# Altium PCB Moter_Control_2021-08-13.pcbdoc (part 2 of 2)
Units mil, origin at the board's own origin, x right, y up, seen from the top; angles counter-clockwise.
Board outline 3361.49 x 2219.75 mil, 2 copper layers (Top Layer, Bottom Layer); 99 components, 79 nets, 430 pads, 232 vias.
Unrouted connection lines stored in the file: 3.
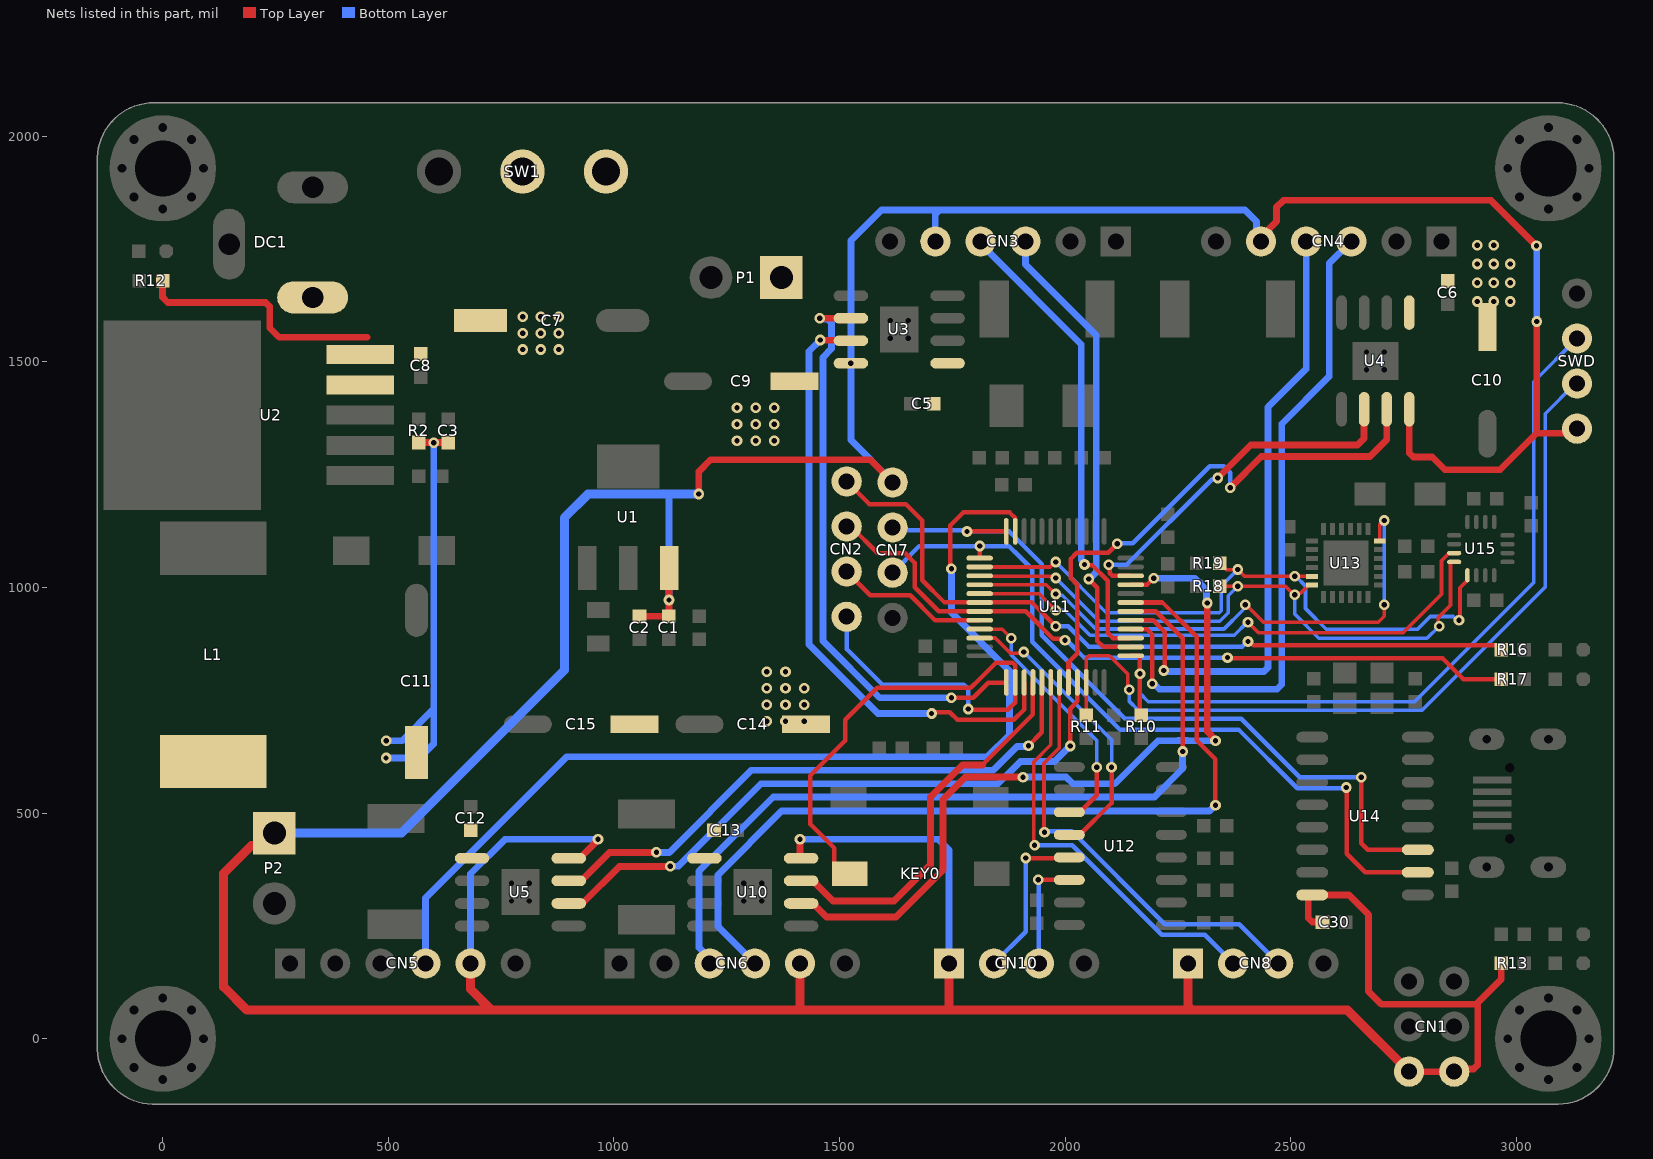
[diagram p2: the nets of this part, all layers, seen from the top]

## Via types
v1: diameter 23.62, hole 11.81, Top Layer to Bottom Layer, tented both sides, 194 vias
v2: diameter 19.68, hole 11.81, Top Layer to Bottom Layer, 30 vias
v3: diameter 23.62, hole 11.81, Top Layer to Bottom Layer, tented bottom, 8 vias

## Nets (pads, with @x,y where several pads share a name; then routed paths per layer and width w, separated by ;. In a path a pad name is that pad's centre, name@x,y a point inside that pad or via, vN(x,y) a via of type N, cw(c..) or ccw(c..) an arc to the next point about the centre after c; other vN are vias at no path point) (continued)
PA1/TIMER4_CH1: CN5.4 U11.11 | length 2297.7
  Top Layer w10: v1(1747.83,1041.22) 1745.67,1043.39 1745.67,1137.62 1774.41,1166.36 1876.64,1166.36 1889.1,1153.9 1889.1,1124.37 U11.11@1889.22,1124.25
  Bottom Layer w15: CN5.4@582.2,166.93 582.2,311.64 895.56,625 1828.27,625 1876.64,673.37 1876.64,815.31 1747.83,944.12 v1(1747.83,1041.22)
PA2/USART1_TX: CN7.2 U11.12 U14.3 | length 1737.6
  Top Layer w10: CN7.2@1617.59,1132.89 CN7.2@1626.24,1124.25 ; v1(1782.51,1124.25) U11.12@1869.53,1124.25 ; v1(2656.02,579.8) 2656.02,433.17 2670.65,418.54 U14.3@2781.5,418.54
  Bottom Layer w10: CN7.2@1617.59,1132.89 1623.63,1126.86 1779.9,1126.86 v1(1782.51,1124.25) 1875.93,1124.25 1948.2,1051.98 1948.2,893.86 2132.64,709.42 2390.38,709.42 2520,579.8 v1(2656.02,579.8)
PA3/USART1_RX: CN7.3 U11.13 U14.2 | length 1695.3
  Top Layer w10: U11.13@1810.48,1065.21 v1(1810.48,1091.89) ; v1(2622.97,556.66) 2624.37,555.26 2624.37,409.99 2665.3,369.05 2780.99,369.05 U14.2@2781.5,368.54
  Bottom Layer w10: CN7.3@1617.59,1032.89 1676.59,1091.89 v1(1810.48,1091.89) 1874.81,1091.89 1887.61,1079.08 1888.29,1079.08 1927.05,1040.32 1927.05,879.52 2122.36,684.22 2385.12,684.22 2514.33,555 2621.31,555 v1(2622.97,556.66)
PA4/SCLK: R19.2 U11.14 U13.23 U15.1 | length 1476.1
  Top Layer w8: U11.14@1810.48,1045.52 1966.24,1045.52 1977.28,1056.56 v1(1978.74,1056.56) ; R19.2@2342.75,1054.16 2357.18,1039.73 v1(2382.52,1039.73) ; v1@2382.42,1039.63 2397.28,1024.77 U13.23@2547.11,1024.77 ; v1(2872.86,927.4) 2875.03,929.57 2875.03,999.77 2891.55,1016.29 U15.1@2891.55,1027.11
  Bottom Layer w8: v1(1978.74,1056.56) 2091.18,944.12 2341.48,944.12 2346.16,948.81 2346.16,1003.37 v1(2382.52,1039.73) ; v1(2508.46,1025.04) 2510.84,1025.04 2532.5,1003.37 2532.5,953.62 2578.54,907.59 2780.79,907.59 2808.95,935.74 2860.36,935.74 2868.7,927.4 v1(2872.86,927.4)
PA5/SDA: R18.2 U11.15 U13.24 U15.16 | length 1447
  Top Layer w8: U11.15@1811.03,1025.29 1811.07,1025.33 1837.05,1025.33 1837.1,1025.29 1966.24,1025.29 1967.53,1023.99 1975.75,1023.99 v1(1978.74,1021.01) ; R18.2@2342.79,1002.38 v1@2382.46,1002.38 ; v1(2382.46,1002.65) 2488.22,1002.65 2506.67,984.19 v1(2508.53,984.19) 2511.52,987.18 2521.63,987.18 2539.53,1005.08 U13.24@2547.11,1005.08 ; v1(2828.74,914.35) 2826.49,916.6 2826.49,933.48 2853.85,960.84 2853.85,1055.78 2854.7,1056.63 U15.16@2862.03,1056.63
  Bottom Layer w8: v1(1978.74,1021.01) 2074.75,925 2342.67,925 2342.67,925.14 2361.65,944.12 2361.65,981.84 v1(2382.46,1002.65) ; v1(2508.53,984.19) 2508.53,941.06 2562.27,887.32 2801.7,887.32 v1(2828.74,914.35)
PA6/MPU_INT: U11.16 U13.12 | length 1232.7
  Top Layer w8: U11.16@1810.48,1006.15 1958.05,1006.15 v1(1978.74,985.45) ; v1(2399.01,961.7) 2400.87,961.7 2439.3,923.28 2693.99,923.28 2707.2,936.5 v1(2707.2,961.7) ; U13.12@2697.31,1103.51 2697.31,1140.53 2705.11,1148.33 v1(2707.38,1148.33)
  Bottom Layer w8: v1(1978.74,985.45) 1981.7,982.5 1993.46,982.5 2068.01,907.94 2351.77,907.94 2393.43,949.61 ; v1(2707.2,961.7) 2707.29,961.79 2707.29,1148.24 v1(2707.38,1148.33)
PA7/QMC_INT: U11.17 U15.15 | length 1227.3
  Top Layer w8: U11.17@1810.48,986.47 1942.18,986.47 v1(1978.74,949.9) ; v1(2405.23,923.09) 2428.6,899.72 2748.83,899.72 2834.07,984.96 2834.07,1059.19 2851.21,1076.32 U15.15@2862.03,1076.32
  Bottom Layer w8: v1(1978.74,949.9) 1999.08,949.9 2055.13,893.86 2374.54,893.86 v1@2404.09,923.4
PA8/TIMER0_CH0: U5.3 U11.29 | length 1295.5
  Top Layer w10: v1(1918.54,649.45) 1948.27,679.17 U11.29@1948.27,789.62
  Top Layer w15: U5.3@899.62,349.77 926.56,349.77 989.73,412.95 v1(1094.02,412.95)
  Bottom Layer w15: v1(1094.02,412.95) 1122.63,412.95 1304.86,595.18 1840.75,595.18 1893.37,647.8 1916.89,647.8 v1(1918.54,649.45)
PA9/USART0_TX: CN8.2 U11.30 | length 926
  Top Layer w8: v1(1932.15,428.64) 1930.03,430.76 1930.03,613.38 1967.96,651.31 U11.30@1967.96,789.62
  Bottom Layer w10: v1(1932.15,428.64) 2015.46,428.64 2213.95,230.16 2308.98,230.16 CN8.2@2372.2,166.93
PA10/USART0_RX: CN8.3 U11.31 | length 987.4
  Top Layer w8: v1(1954.27,457.56) 1952.96,458.86 1952.96,610.68 1986.68,644.39 1986.68,762.58 1987.13,763.04 1987.13,789.11 U11.31@1987.64,789.62
  Bottom Layer w10: v1(1954.27,457.56) 1956.87,460.16 2014.29,460.16 2220.88,253.57 2385.57,253.57 CN8.3@2472.2,166.93
PA11/TIMER0_CH3: U4.3 U11.32 | length 1222.6
  Top Layer w10: U11.32@2007.33,789.62 2007.33,834.06 2027.03,853.77 2027.03,1006.18 2012.2,1021.01 2012.2,1063.31 2025.82,1076.93 2095.58,1076.93 v1(2115.66,1097.02)
  Top Layer w15: v1@2367.16,1222.88 2434.58,1290.3 2675.44,1290.3 2712.51,1327.37 U4.3@2712.51,1395.14
  Bottom Layer w10: v1(2115.66,1097.02) 2117.07,1098.42 2149.89,1098.42 2320.14,1268.68 2351.88,1268.68 2365.88,1254.68 v1(2365.88,1221.06)
PA12/M4_Dir: U5.2 U11.33 | length 1403.3
  Top Layer w10: v1(2010.91,648.83) 2010.91,731.42 2027.01,747.51 U11.33@2027.01,789.62
  Top Layer w15: U5.2@899.62,299.77 929.69,299.77 1011.84,381.93 v1(1124.64,381.93)
  Bottom Layer w15: v1(1124.64,381.93) 1125.17,382.46 1142.96,382.46 1325.5,565 1851.07,565 1900.57,614.5 1976.58,614.5 v1(2010.91,648.83)
PA13/SWDIO: R11.1 SWD.2 U11.34 | length 1824.2
  Top Layer w8: R11.1@2046.79,716.93 2046.7,717.02 U11.34@2046.7,789.62 2046.7,842.81 2052.56,848.67 2098.06,848.67 2138.36,808.37 2138.36,788.86 2138.61,788.61 2138.61,776.41 v1(2141.6,773.43)
  Bottom Layer w8: v1(2141.6,773.43) 2141.6,748.53 2162,728.14 2790.98,728.14 3063.91,1001.07 3063.91,1385.39 3130.44,1451.93 SWD.2@3134.51,1451.93
PA14/SWCLK: R10.1 SWD.3 U11.37 | length 1767.1
  Top Layer w10: U11.37@2145.12,848.66 2164.68,848.66 2164.97,848.37 2164.97,809.42 v1(2165.61,808.78) 2165.61,720.19 R10.1@2168.88,716.93
  Bottom Layer w8: v1(2165.61,808.78) 2165.61,765.17 2183.92,746.86 2774.1,746.86 3038.41,1011.17 3038.41,1455.84 SWD.3@3134.51,1551.93
PA15/TIMER1_CH0: CN3.3 U11.38 | length 1045.4
  Top Layer w10: v1(2052.37,1018.8) 2052.37,1018.24 2071.04,999.56 2071.04,881.37 2084.06,868.35 U11.38@2145.12,868.35
  Bottom Layer w15: CN3.3@1912.2,1766.93 1912.2,1715.68 2068.62,1559.26 2068.62,1033.07 2054.34,1018.8 v1(2052.37,1018.8)
PB0/LED0: CN2.4 R16.2 U11.18 | length 1692.1
  Top Layer w10: CN2.4@1515.67,1235.21 1565.88,1185 1646.94,1185 1683.43,1148.51 1683.43,1015.83 1732.49,966.78 U11.18@1810.48,966.78 1926.32,966.78 v1(1978.74,914.35) ; v1(2405.23,880.2) 2408.92,880.2 2417.19,871.93 2956.62,871.93 R16.2@2966.62,861.93
  Bottom Layer w10: v1(1978.74,914.35) 2006.72,914.35 2051.93,869.15 2392.25,869.15 2403.31,880.2 v1@2404.92,880.2
PB1/LED1: CN2.3 R17.2 U11.19 | length 1622.8
  Top Layer w10: CN2.3@1515.67,1135.21 1525.15,1135.21 1584.47,1075.89 1645.28,1075.89 1666.84,1054.33 1666.84,1000.23 1719.97,947.1 U11.19@1810.48,947.1 1912.5,947.1 1973.65,885.95 1996.8,885.95 v1(1999.41,883.34) ; v1(2359.77,844.68) 2361.11,843.34 2836.28,843.34 2882.69,796.93 R17.2@2966.62,796.93
  Bottom Layer w10: v1(1999.41,883.34) 2003.1,883.34 2017.88,868.55 2017.98,868.55 2041.85,844.68 v1(2359.77,844.68)
PB2: CN2.2 U11.20 | length 339.5
  Top Layer w10: CN2.2@1515.67,1035.21 1568.18,982.7 1656.23,982.7 1711.52,927.41 U11.20@1810.48,927.41
PB3/TIMER1_CH1: CN3.4 U11.39 | length 1048.9
  Top Layer w10: v1(2042.87,1051.02) 2044.11,1049.78 2059.54,1049.78 2094.03,1015.3 2094.03,899.76 2105.76,888.03 U11.39@2145.12,888.03
  Bottom Layer w15: CN3.4@1812.2,1766.93 1812.2,1762.12 2035.52,1538.81 2035.52,1060.71 2042.87,1053.36 v1(2042.87,1051.02)
PB4/TIMER2_CH0: CN4.3 U11.40 | length 1504.4
  Top Layer w10: U11.40@2145.12,907.72 2145.24,907.6 2181.39,907.6 2193.13,895.85 v1(2193.13,786.45)
  Bottom Layer w15: v1(2193.13,786.45) 2194.78,784.8 2198.5,784.8 2208.88,774.43 2339.2,774.43 2469.52,774.43 2480,784.9 2480,1362.26 2585,1467.26 2585,1717.86 CN4.3@2634.07,1766.93
PB5/TIMER2_CH1: CN4.4 U11.41 | length 1387.9
  Top Layer w10: U11.41@2145.12,927.4 2195.04,927.4 2220.2,902.24 2220.2,818.03 v1(2218.32,816.15)
  Bottom Layer w15: v1(2218.32,816.15) 2219.97,814.5 2226.07,814.5 2226.96,813.61 2440.88,813.61 2449.66,822.4 2449.66,1399.66 2534.07,1484.07 CN4.4@2534.07,1766.93
PB6/TIMER3_CH0: CN6.3 U11.42 | length 1808.8
  Top Layer w10: U11.42@2145.12,947.09 2200.51,947.09 2260.22,887.38 v1(2260.22,636.41)
  Bottom Layer w15: CN6.3@1212.2,166.93 1212.2,178.02 1188.54,201.68 1188.54,371.34 1352.91,535.71 2197.67,535.71 2260.22,598.25 v1(2260.22,636.41)
PB7/TIMER3_CH1: CN6.4 U11.43 | length 1965.3
  Top Layer w10: U11.43@2145.12,966.77 2215.54,966.77 2291.57,890.74 2291.57,660.99 2332.96,619.6 v1(2332.96,517.13)
  Bottom Layer w15: CN6.4@1312.2,166.93 1230.32,248.81 1230.32,363.22 1371.6,504.49 2319.86,504.49 2332.5,517.13 v1(2332.96,517.13)
PB8/M4_Dir: U10.2 U11.45 | length 1723.9
  Top Layer w10: U11.45@2145.12,1006.14 2181.41,1006.14 v1(2195.97,1020.7)
  Top Layer w15: U10.2@1414.62,299.77 1440.98,299.77 1471.2,269.55 1624.8,269.55 1729.26,374.01 1729.26,529.72 1779.34,579.8 v1(1906.58,579.8) ; v1(2315.02,965.59) 2315.02,680.46 2332.96,662.52 v1(2332.96,660.19)
  Bottom Layer w15: v1(1906.58,579.8) 2002.23,579.8 2017.03,565 2110,565 2205.19,660.19 2249.61,660.19 2250.15,660.72 2270.28,660.72 2270.82,660.19 v1(2332.96,660.19) ; v1(2195.97,1020.7) 2286.72,1020.7 2313.38,994.04 2313.38,967.24 v1(2315.02,965.59)
PB9/M2_Dir: U4.2 U11.46 | length 815.3
  Top Layer w10: v1(2096.42,1050.35) 2098.85,1047.92 2098.85,1031.69 2104.71,1025.83 U11.46@2145.12,1025.83
  Top Layer w15: v1@2338.15,1242.56 2411.24,1315.65 2647.85,1315.65 2662.51,1330.32 U4.2@2662.51,1395.14
  Bottom Layer w10: v1(2096.42,1050.35) 2135.89,1050.35 2325.76,1240.22 2335.48,1240.22 v1(2338.09,1242.83)
PB10/USART2_TX: U11.21 U12.11 | length 581.5
  Top Layer w8: U11.21@1810.48,907.73 1860.26,907.73 v1(1880.66,887.32)
  Top Layer w10: U12.11@2009.11,501.93 2032.44,501.93 2070.13,539.62 v1(2070.13,601.93)
  Bottom Layer w8: v1(1880.66,887.32) 1880.66,850.5 2070.13,661.03 v1(2070.13,601.93)
PB11/USART2_RX: U11.22 U12.12 | length 649.6
  Top Layer w8: U11.22@1810.48,888.04 1845.21,888.04 1878.72,854.53 1905.71,854.53 v1(1908.26,857.08)
  Top Layer w10: U12.12@2009.11,451.93 2032.44,451.93 2102.79,522.28 v1@2102.79,600.67
  Bottom Layer w8: v1(1908.26,857.08) 2102.79,662.55 v1(2102.79,601.93)
PB12/M1_DIR: U3.2 U11.25 | length 1285.4
  Top Layer w10: v1(1747.83,755.67) 1796.21,755.67 1829.64,789.1 1869.24,789.1 1869.24,789.32 U11.25@1869.53,789.62
  Top Layer w15: v1(1456.04,1596.87) 1456.1,1596.93 U3.2@1525.1,1596.93
  Bottom Layer w15: v1(1456.04,1596.87) 1457.69,1595.22 1473.42,1595.22 1482.2,1586.44 1482.2,1529.23 1462.98,1510 1462.98,881.46 1588.77,755.67 v1(1747.83,755.67)
PB13/KEY0: CN2.1 KEY0.2 U11.26 | length 1465.8
  Top Layer w10: KEY0.2@1522.2,365.55 1510,365.55 1487.83,387.72 1487.83,422.5 1434.65,475.69 1434.65,583.3 1512.2,660.86 1512.2,706.91 1583.22,777.93 1790.9,777.93 1799.8,786.83 1800.03,786.83 1846.93,833.73 1883.36,833.73 1889.22,827.88 U11.26@1889.22,789.62 1889.22,745.09 1872.87,728.74 1786.87,728.74 v1(1784.77,730.84)
  Bottom Layer w10: CN2.1@1515.67,935.21 1515.67,863.68 1594.35,785 1775.67,785 1784.77,775.89 v1(1784.77,730.84)
PB14/TIMER11_CH0: U3.3 U11.27 | length 1371.7
  Top Layer w10: v1(1703.86,720.82) 1706.47,723.43 1730.16,723.43 1730.49,723.77 1744.43,723.77 1761.26,706.93 1886.2,706.93 1908.9,729.62 U11.27@1908.9,789.62
  Top Layer w15: v1(1457.2,1548.68) 1458.08,1547.81 1524.22,1547.81 U3.3@1525.1,1546.93
  Bottom Layer w15: v1(1457.2,1548.68) 1432.2,1523.68 1432.2,873.41 1584.8,720.82 v1(1703.86,720.82)
PB15/TIMER11_CH1: U10.3 U11.28 | length 862.7
  Top Layer w10: 1816.51,606.73 1928.59,718.82 U11.28@1928.59,789.62
  Top Layer w15: U10.3@1414.62,349.77 1440.98,349.77 1485.66,305.09 1620.96,305.09 1701.59,385.72 1701.59,536 1772.32,606.73 1816.51,606.73
RX: CN10.2 U12.13 | length 360
  Top Layer w10: v1@1912.65,400.36 2007.55,400.36 U12.13@2009.11,401.93
  Bottom Layer w10: CN10.2@1842.2,166.93 1912.59,237.31 v1(1912.59,400.63)
TX: CN10.3 U12.14 | length 254.9
  Top Layer w10: v1@1940.3,351.93 U12.14@2009.11,351.93
  Bottom Layer w10: v1(1940.23,352.2) 1941.22,351.21 1941.22,167.91 CN10.3@1942.2,166.93
VIN: DC1.1 P1.1 SW1.2
VIN_OPEN: C5.2 C6.2 C7.1 C8.1 C9.1 C10.1 C12.2 C13.2 C14.1 C15.1 R12.2 SW1.1 U2.4 U2.5 U3.5 U4.5 U5.5 U10.5 | length 554.3
  Top Layer w15: R12.2@-0.57,1679.76 -0.57,1643.4 10.91,1631.93 228.02,1631.93 236.81,1623.14 236.81,1575.72 257.85,1554.68 452.86,1554.68
  other v1: 1338.49,703.57 1379.99,703.57 1421.48,703.57 1338.49,740.25 1379.99,740.25 1421.48,740.25 1338.49,776.93 1379.99,776.93 1421.48,776.93 1338.49,813.61 1379.99,813.61 1272.52,1325.08 1314.02,1325.08 1355.51,1325.08 1272.52,1361.76 1314.02,1361.76 1355.51,1361.76 1272.52,1398.45 1314.02,1398.45 1355.51,1398.45 797.83,1527.65 837.81,1527.65 877.79,1527.65 797.83,1563.8 837.81,1563.8 877.79,1563.8 797.83,1599.96 837.81,1599.96 877.79,1599.96 2913.19,1633.94 2949.87,1633.94 2986.55,1633.94 2913.19,1675.43 2949.87,1675.43 2986.55,1675.43 2913.19,1716.93 2949.87,1716.93 2986.55,1716.93 2913.19,1758.42 2949.87,1758.42
VOUT_5V/5A: C1.1 C2.1 C3.2 C11.1 C30.1 CN1.1 CN1.2 CN3.5 CN4.5 CN5.5 CN6.5 CN7.1 CN8.1 CN10.1 L1.1 P2.1 R2.1 R13.2 SWD.1 U1.3 U3.4 U4.4 U5.4 U10.4 U14.16 | length 12476.9
  Top Layer w15: R2.1@567.21,1321.34 C3.2@632.2,1321.34 ; U5.4@899.62,399.77 925.98,399.77 925.98,401.44 964.7,440.17 v1(964.7,441.84) ; C2.1@1056.54,936.46 C1.1@1121.54,936.46 1121.81,936.73 1121.81,1043.09 U1.3@1122.09,1043.36 ; v1(1188.02,1207.21) 1188.02,1257 1214.39,1283.36 1567.13,1283.36 CN7.1@1617.59,1232.89 ; v1(1412.2,441.84) 1412.2,402.19 U10.4@1414.62,399.77 ; CN4.5@2434.07,1766.93 2434.07,1777.02 2468.6,1811.55 2468.6,1843.11 2483.58,1858.09 2943.69,1858.09 v1(3044.69,1757.09) v1@3044.69,1756.56 ; C30.1@2570.27,258.54 2547.53,258.54 2538.74,267.33 2538.74,314.56 2542.72,318.54 U14.16@2547.5,318.54 2628.7,318.54 2672.4,274.84 2672.4,105.06 2701.36,76.11 2910.39,76.11 2914.44,80.16 ; CN1.2@2762.2,-73.07 CN1.1@2862.2,-73.07 2868.21,-67.07 2905.35,-67.07 2914.14,-58.28 2914.14,79.86 ; U4.4@2762.51,1395.14 2762.51,1298.25 2771.5,1289.27 2813.57,1289.27 2841.88,1260.96 2964.12,1260.96 3045.15,1341.99 ; 2914.44,73.48 2914.44,80.16 ; R13.2@2966.62,166.93 2966.62,132.34 2914.44,80.16 ; v1@3045.15,1592.68 3045.15,1341.99 ; SWD.1@3124.57,1341.99 3045.15,1341.99
  Top Layer w20: P2.1@247.2,455.67 219.47,427.94 196.35,427.94 135,366.59 135,115 186.36,63.64 728.38,63.64 ; CN5.5@682.2,166.93 682.2,109.81 728.38,63.64 ; CN6.5@1412.2,166.93 1412.2,157.27 1412.2,65.35 1410.49,63.64 ; CN10.1@1742.2,166.93 1742.2,63.64 ; CN8.1@2272.2,166.93 2272.2,71.98 2280.54,63.64 ; CN1.2@2762.2,-73.07 2625.49,63.64 2280.54,63.64 ; 728.38,63.64 1410.49,63.64 ; 1410.49,63.64 1742.2,63.64 ; 1742.2,63.64 2272.2,63.64 2280.54,63.64
  Bottom Layer w15: v1(494.87,622.2) 569.4,622.2 600.39,653.19 600.39,730.39 ; v1(494.94,660.27) 530.27,660.27 600.39,730.39 ; v1(600.39,1320.72) 600.39,730.39 ; CN5.5@682.2,166.93 682.2,365.6 758.45,441.84 v1(964.7,441.84) ; v1(1121.75,972.36) 1121.75,1201.75 1127.21,1207.21 ; v1(1412.2,441.84) 1718.79,441.84 1742.2,418.42 CN10.1@1742.2,166.93 ; CN7.1@1617.59,1232.89 1617.59,1234.42 1525.03,1326.98 v3(1525.03,1497.2) 1525.03,1768.94 1592.71,1836.62 1720.99,1836.62 ; CN3.5@1712.2,1766.93 1712.2,1827.84 1720.99,1836.62 ; CN4.5@2434.07,1766.93 2424.14,1776.87 2424.14,1811.02 2398.54,1836.62 1720.99,1836.62 ; v1(3044.69,1757.09) 3044.89,1756.9 3044.89,1589.79 v1(3045.08,1589.6)
  Bottom Layer w20: P2.1@247.2,455.67 528.69,455.67 890.02,816.99 890.02,1154.35 942.89,1207.21 1127.21,1207.21 v1(1188.02,1207.21)
pads on no net: DC1.2 SW1.3 U6. U7. U8. U9. U11.2 U11.3 U11.4 U12.7 U12.8 U12.9 U12.10 U13.2 U13.3 U13.4 U13.5 U13.6 U13.7 U13.14 U13.15 U13.16 U13.17 U13.19 U13.21 U13.22 U13.25 U14.9 U14.10 U14.11 U14.12 U14.13 U14.14 U14.15 U15.3 U15.5 U15.6 U15.7 U15.14 USB1.0 USB1.1
copper on no net:
  other v1: 2274.48,-16.54 2375.21,-16.54 2474.51,-16.54 2566.48,-16.54

## Polygon pours and split planes (outlines as drawn)
DGND on Top Layer "DGND_L01_P004" (solid, pour order 4): 1272.2,1641.93 3208.75,1641.93 3216.17,1649.34 3216.17,-145.29 1679.42,-145.29 1678.74,-145.31 1678.74,-131.54 1678.74,384.9 1579.89,483.74 1145.67,483.74 1145.67,521.31 1062.55,604.43 859.7,604.43 859.7,1332.97 868.72,1341.99
AGND on Top Layer "AGND_L01_P005" (solid, pour order 5): 859.7,1332.97 1168.66,1641.93 3208.75,1641.93 3208.75,2074.26 -145.14,2074.26 -145.23,2074.35 -145.23,-145.29 1679.42,-145.29 1678.74,-144.61 1678.74,384.9 1579.89,483.74 1145.67,483.74 1145.67,521.31 1062.55,604.43 859.7,604.43
DGND on Bottom Layer "DGND_L02_P003" (solid, pour order 3): 1272.2,1641.93 3208.75,1641.93 3216.17,1649.34 3216.17,-145.29 1679.42,-145.29 1678.74,-145.31 1678.74,-131.54 1678.74,384.9 1579.89,483.74 1145.67,483.74 1145.67,521.31 1062.55,604.43 859.7,604.43 859.7,1332.97 868.72,1341.99
AGND on Bottom Layer "AGND_L02_P006" (solid, pour order 6): 859.7,1332.97 1291.69,1655.2 3208.75,1641.93 3208.75,2074.26 -145.14,2074.26 -145.23,2074.35 -145.23,-145.29 1679.42,-145.29 1678.74,-144.61 1678.74,384.9 1579.89,483.74 1145.67,483.74 1145.67,521.31 1062.55,604.43 859.7,604.43

## Keep-outs
Keep-Out Layer:
  lines w15: -137.8,-23.07 -137.8,1951.93 ; -137.8,-19.69 ccw(c-19.69,-19.69) -19.69,-137.8 ; -137.8,1948.82 cw(c-19.69,1948.82) -19.69,2066.93 ; -22.8,-137.8 3092.2,-137.8 ; -17.8,2066.93 3087.2,2066.93 ; 3090.55,-137.8 ccw(c3090.55,-19.69) 3208.66,-19.69 ; 3090.55,2066.93 cw(c3090.55,1948.82) 3208.66,1948.82 ; 3208.66,-18.07 3208.66,1951.93

## Other copper
Top Layer:
  pour cut-out: 942.37,1140.56 941.99,1140.94 864.88,1140.94 864.88,1351.48 1028.27,1514.87 1305.09,1514.87 1305.09,1243.88 1201.78,1140.56 1031.54,1140.56 1018.01,1154.09 1018.01,1240.64 987.2,1209.84 951.85,1209.84 951.85,1177.32 951.57,1177.03
  pour cut-out: 1282.2,1733.84 1320.29,1771.93 1425.37,1771.93 1457.2,1740.09 1457.2,1656.64 1556.26,1656.64 1593.93,1618.96 1593.93,1439.91 1283.23,1439.91 1282.25,1438.93
  pour cut-out: 1815,595 1898.68,678.68 1923.84,678.68 1935.8,666.71 1930.03,660.94 1930.03,595.12 1914.7,579.8 1855.42,579.8 1834.36,600.86
  pour cut-out: 1530,790 1727.41,790 1739.48,777.93 1733.14,771.58 1733.14,644.13 1546.66,644.13 1528.98,661.81
  pour cut-out: 2155,825 2160.86,819.14 2276.57,819.14 2276.57,630.9 2258.62,612.95 2254.49,617.09 2155.21,617.09
  pour cut-out: 2306.61,987.38 2309.34,990.11 2428.35,990.11 2428.35,829.86 2427.94,830.27 2291.57,830.27
  pour cut-out: 2242.21,1037.52 2286.47,1037.52 2315.02,1008.96 2315.02,904.6 2313.47,904.6 2291.57,882.7 2257.03,917.24 2230.36,917.24 2230.36,969.67 2222.66,977.38
  pour cut-out: 1820,1095 1823.48,1091.52 1823.48,810.28 2106.74,810.28 2145.12,848.66 2050.46,943.32 2050.46,1096.28
  region net VIN_OPEN: 2887.2,1701.93 2896.47,1711.2 2896.47,1760.52 2902.88,1766.93 2956.77,1766.93 2991.67,1732.02 2991.67,1512.75 2922.25,1512.75 2888.07,1546.93
  region net AGND: 2022.2,1661.93 2040.2,1679.92 2155.1,1679.92 2174.64,1699.47 2174.64,1829.29 2172.75,1829.29 2145.12,1856.93 2145.12,1977.35 2275.43,1977.35 2275.43,1827.26 2275.43,1695.59 2317.2,1695.59 2359.09,1653.7 2359.09,1540.04 2393.83,1505.31 2602.37,1505.31 2643.99,1546.93 2776.65,1546.93 2805.12,1518.46 2805.12,1466.18 2790.86,1451.93 2642.05,1451.93 2632.05,1441.93 2632.05,1354.22 2619.82,1341.99 2575.8,1341.99 2560.2,1357.59 2560.2,1410.83 2529.1,1441.93 2382.21,1441.93 2283.71,1540.43 2054.78,1540.43 2021.69,1573.51
  region net AGND: 543.38,1478.1 552.2,1486.93 561.3,1486.93 892.79,1486.93 908.75,1486.93 952.2,1548.68 953.96,1546.93 1133.09,1546.93 1225.31,1454.72 1170.02,1399.43 950.29,1399.43 873.26,1322.4 873.26,849.47 772.83,749.04 680.54,749.04 646.16,793.36 702.2,849.41 702.2,1354.45 653.67,1402.98 550.68,1402.98 544.85,1408.8
  pour cut-out: -187.8,1106.93 -132.8,1161.93 379.2,1161.93 400.57,1140.56 400.57,641.93 325.57,566.93 -132.8,566.93 -187.8,621.93
  region net AGND: 952.2,1606.93 977.2,1631.93 1051.3,1631.93 1082.2,1662.83 1082.2,1745.68 1106.43,1771.93 1255.29,1771.93 1282.2,1746.93 1282.2,1733.84 1282.2,1511.61 1206.02,1435.43 1007.2,1435.43 952.2,1490.43
  region net VIN_OPEN: 332.2,1531.93 317.71,1554.68 492.2,1561.93 562.2,1631.93 777.24,1631.93 797.24,1611.93 797.2,1611.89 797.2,1531.93 763.87,1498.59 542.64,1498.59 527.2,1483.16 527.2,1436.93 512.2,1421.93 359.2,1421.93 332.2,1448.93
  region net VIN: 254.31,1699.03 347.2,1791.93 637.2,1791.93 717.2,1871.93 717.2,1957.77 752.2,1992.77 846.36,1992.77 877.2,1961.93 877.2,1686.93 842.2,1651.93 547.2,1651.93 477.2,1581.93 281.87,1581.93 254.31,1609.49
  region net VIN_OPEN: 1269.74,648.88 1322.2,701.34 1322.2,649.14 1317.97,644.9
  region net VIN_OPEN: 2742.3,1665.22 2779.42,1702.34 2902.88,1702.34 2902.88,1662.07 2808.97,1662.07 2792.24,1645.34 2792.24,1578.67 2782.5,1568.92 2754.15,1568.92 2742.3,1580.77
  region net AGND: 2776.65,1546.93 2779.01,1544.57 2871.75,1544.57 2964.39,1451.93 2964.39,1307.85 2946.7,1290.16 2910.48,1290.16 2887.64,1313 2887.64,1400.57 2836.28,1451.93 2790.86,1451.93
  region net AGND: 2812.2,1626.93 2828.39,1643.11 2862.73,1643.11 2871.75,1634.09 2871.75,1544.57 2812.2,1544.57
  region net AGND: 182.2,354.44 209.69,381.93 354.09,381.93 493.35,521.18 582.2,521.18 594.86,508.52 594.86,404.8 566.99,376.93 450.05,376.93 310.05,236.93 192.2,236.93 182.2,246.93
  region net VOUT_5V/5A: 182.2,501.93 192.2,511.93 327.2,511.93 345.7,530.43 345.7,571.93 417.56,571.93 433.2,556.28 433.2,486.33 351.3,404.42 187.56,404.42 182.2,409.77
  region net VIN_OPEN: 753.75,429.45 754.38,430.08 754.38,453.6 777.71,476.93 818.44,476.93 892.79,551.28 892.79,727.09 1091.75,727.09 1102.62,727.09 1110.94,718.76 1110.94,679.25 1138.34,651.86 1324.93,651.86 1349.84,676.77 1349.84,706.93 1350.82,706.93 1376.41,732.52 1378.7,730.24 1488.9,730.24 1488.9,663.36 1348,526.71 1280.03,526.71 1244.11,493.46 1244.11,400.36 1230.33,386.58 1170.49,386.58 1155.94,401.13 1155.94,538.01 1131,562.95 1001.86,562.95 978.74,539.84 978.74,493.46 914.72,429.45 860.12,429.45
  region net VIN_OPEN: 792.51,477.48 778.27,477.48 665.7,477.48 647.2,458.99 647.2,399.77 659.05,387.92 715.7,387.92 757.22,429.45 906.19,429.45
  region net AGND: 737.34,393.37 753.74,409.77 826.19,409.77 842.56,393.4 842.56,277.48 858.41,261.62 925.98,261.62 925.98,237.92 924.98,236.93 764.07,236.93 736.55,264.45
  region net AGND: 585.8,530.43 608.53,530.43 642.2,564.1 642.2,789.41 649.72,796.93 752.83,796.93 772.83,776.93 772.83,749.04 735.93,711.43 735.93,515.5 714.07,493.64 652.46,493.64 632.2,473.7 632.2,386.58 622.55,376.93 544.12,376.93
  region net AGND: 606.85,1276.93 694.7,1276.93 709.7,1291.93 711.77,1291.93 711.77,926.4 732.44,667.3 572.75,881.93 568.17,881.93 644.7,1000.75 608.53,1036.93
  region net AGND: 859.5,934.08 890.9,902.69 980.15,902.69 989.71,893.14 989.71,819.14 860.57,819.14
  region net VIN_OPEN: 777.24,1631.93 855.29,1631.93 892.79,1669.43 892.79,1960.86 924.7,1992.77 1031.36,1992.77 1062.2,1961.93 1062.2,1666.34 1042.79,1646.93 967.2,1646.93 937.2,1616.93 937.2,1560.6 894.02,1498.69 752.53,1498.69
  region net NetD1_1: -6.54,1026.93 -6.54,1226.93 202.2,1226.93 218.27,1210.86 218.27,1160.86 232.2,1146.93 232.2,1026.93
  region net AGND: 596.13,1209.23 603.39,1216.49 603.39,1273.48 606.85,1276.93 650.7,1276.93 654.7,1270.25 654.7,1209.23
  region net NetC3_1: 352.2,1331.93 362.2,1341.93 517.2,1341.93 532.6,1357.32 532.6,1387.32 537.2,1391.93 646.62,1391.93 656.62,1381.93 656.62,1354.37 649.17,1346.93 548.21,1346.93 541.38,1340.1 541.38,1311.11 522.2,1291.93 358.45,1291.93 353.45,1296.93
  region net NetD1_1: 218.27,1185.86 229.53,1174.61 440.86,1174.61 472.2,1143.27 472.2,1046.93 462.2,1036.93 372.01,1036.93 362.2,1046.73 362.2,1111.93 199.69,1111.93 227.2,1121.93 202.2,1121.93
  region net NetC3_1: 541.38,1331.92 541.38,1294.82 589.82,1294.82 589.82,1229.74 584.62,1224.53 535.32,1224.53 527.21,1232.65 527.21,1276.64 500.79,1303.07
  region net NetD1_1: 512.2,1406.93 207.2,1406.93 192.2,1391.93 192.2,1356.93 514.7,1356.93 519.7,1361.93 519.7,1401.93
  region net AGND: 1678.58,1385.09 1672.2,1378.71 1599.48,1378.71 1589.88,1388.31 1589.88,1623.94 1575.27,1638.55 1475.29,1638.55 1457.2,1656.64 1455.47,1742.64 1423.52,1772.97 1137.48,1772.97 1333.28,1887.13 1548.89,1887.13 1563.31,1872.72 1596.73,1872.72 1609.31,1860.14 1563.31,1814.14 1563.31,1719.69 1578.74,1704.26 1635.85,1704.26 1678.58,1661.53
  region net AGND: 1082.2,1977.35 2242.95,1977.35 2242.95,1846.93 1388.75,1846.93 1282.2,1740.39 1276.91,1745.68 1082.2,1745.68
  region net AGND: 1444.57,261.62 1440.98,261.62 1440.98,237.62 1272.11,237.62 1257.8,251.93 1257.8,485.19 1282.29,509.68 1358.29,509.68 1358.29,467.62 1358.29,279.75 1376.41,261.62
  region net AGND: 877.1,903.2 952.77,827.54 1277.25,827.54 1299.65,805.14 1299.65,708.34 1268.55,677.24 1147.79,677.24 1135.2,689.83 1135.2,735.38 1121.54,749.04 883.22,749.04 858.13,723.94
  region net VIN_OPEN: 1320.29,821.77 1326.06,827.54 1461.58,827.54 1488.9,800.22 1488.9,665.1 1435.72,611.93 1320.29,611.93
  region net VIN_OPEN: 1250.29,1401.58 1325.32,1476.61 1463.26,1476.61 1478.97,1460.91 1552.74,1460.91 1573.74,1439.91 1573.74,1384.72 1592.98,1365.48 1673.74,1365.48 1693.12,1384.86 1693.12,1508.78 1758.73,1508.78 1758.73,1318.47 1745.24,1304.98 1250.29,1304.98
  region net AGND: 873.26,849.47 873.26,553.7 813.03,493.46 708.5,493.46 708.5,723.94 702.2,730.24
  region net AGND: 445.62,477.93 445.62,478.52 445.62,523 453.05,530.43 585.8,530.43 595.05,521.18 594.86,520.99 594.86,477.17 584.62,466.93 445.62,466.93
  region net VOUT_5V/5A: 433.2,526.71 455.25,548.76 437.87,564.1 331.94,564.1 317.71,559.19 334.94,544.28 327.2,555.43 327.2,511.93
  region net VOUT_5V/5A: -17.8,667.93 -6.55,676.93 472.2,676.93 501.79,676.93 522.2,706.93 612.2,706.93 627.38,691.75 627.38,567.1 606.73,546.45 -12.32,546.45 -17.8,551.93
  region net AGND: 347.2,1196.93 347.2,1264.93 359.2,1276.93 503.94,1276.93 511.89,1268.98 511.89,1216.44 517.47,1210.86 654.7,1210.86 654.7,864.6 632.51,842.4 513.89,842.41 487,869.3 487,1160.86 457.34,1190.52 357.68,1190.52
Bottom Layer:
  pour cut-out: 1991.56,850.5 2154.28,850.5 2175.27,829.51 2156.65,810.88 2156.65,709.42 2072.28,709.42 1993.95,787.75 1993.95,812.63
  pour cut-out: 1878.33,826.79 2058.16,646.96 2111.32,646.96 2111.32,617.34 2058.98,565 2034.23,589.75 1875.82,589.75
  pour cut-out: 2089.54,535.71 2206.09,652.25 2261.94,652.25 2266.35,647.84 2256.35,637.84 2256.35,573.11 2235.07,573.11 2197.67,535.71
  pour cut-out: 2128.02,1078.52 2171.66,1078.52 2242.81,1007.37 2300.05,1007.37 2300.05,941.36 2289.41,951.99 2064.72,951.99 2064.72,970.58 2034.96,1000.34
  pour cut-out: 1720.99,1091.89 1908.3,1091.89 1938.54,1061.64 1938.54,826.79 1818.12,826.79 1738.7,906.21 1738.49,906.21
  pour cut-out: 745,445 910.41,610.41 910.41,625 1308.25,625 1315.39,617.86 1140.72,443.18 1140.72,431.04
  region net VIN_OPEN: 917.2,1936.93 917.2,1970.47 939.5,1992.77 2894.3,1992.77 2937.2,1954.83 2937.2,1890 2996.29,1806.99 2996.29,1536.3 2984,1524.02 2915.74,1524.02 2901.8,1537.96 2901.8,1797.91 2852.2,1875.34 944.66,1875.34 919.01,1900.99
  region net AGND: 1257.2,356.22 1297.91,396.93 1614.17,396.93 1651.88,359.22 1651.88,71.13 1617.59,71.13 1511.4,71.13 1567.2,126.93 1567.2,213.46 1513.74,266.93 1283.56,266.93 1257.2,291.93
  region net NetD1_1: -118.11,1591.77 218.19,1591.77 218.27,1591.69 218.27,1172.09 -118.11,1172.09
  pour cut-out: 682.2,368.9 709.47,368.9 717.6,360.77 715.67,358.84 715.67,244.43 800.56,244.43 832.2,212.79 832.2,64.72 677.46,64.72 669.97,72.21
  region net VIN_OPEN: 762.03,1611.75 789.96,1639.68 947.48,1639.68 967.2,1619.97 967.2,1491.81 1032.08,1426.93 1338.33,1426.93 1370.16,1389.4 1370.16,1295.05 928.36,1291.93 762.79,1457.49
  region net AGND: 717.6,360.77 751.57,394.74 890.02,394.74 932.2,352.56 932.2,280.11 932.2,200.39 827.98,200.39 801.44,226.93 733.17,226.93 715.67,244.43
  region net AGND: 890.02,394.74 969.9,394.74 999.64,424.49 999.64,519.49 1032.08,551.93 1122.2,551.93 1145.67,528.46 1145.67,483.74 1117.59,455.67 1091.75,455.67 1091.75,454.85 1072.2,435.3 1072.2,338.09 1036.72,302.6 892.2,302.6
  region net VIN_OPEN: 1336.2,684.22 1462.98,684.22 1462.98,766.22 1370.16,859.04 1370.16,1324.72 1212.2,1324.72 1248.44,1281.04 1248.44,779.93
  region net AGND: 82.2,1726.93 82.2,1810.19 118.11,1846.09 118.59,1845.62 214.91,1845.62 226.09,1824.43 589.5,1824.43 735.13,1678.81 735.13,1450.08 792.2,1393 792.2,1341.99 774.94,1324.72 691.91,1324.72 677.2,1339.43 677.2,1386.93 676.42,1386.93 651.42,1411.93 592.2,1411.93 552.2,1451.93 552.2,1671.93 522.2,1701.93 243.52,1701.93 224.48,1671.93 101.31,1671.93 82.97,1698.65
  pour cut-out: -187.8,1106.93 -132.8,1161.93 379.2,1161.93 400.57,1140.56 400.57,641.93 325.57,566.93 -132.8,566.93 -187.8,621.93
  region net AGND: 324.38,370.59 103.35,370.59 63.64,330.88 63.64,146.04 149.45,48.63 149.45,-13.39 209.13,-73.07 1651.88,-73.07 1651.88,72.21 273.26,72.21 202.2,143.27 199.99,246.2 324.38,246.2
  region net VIN: 717.2,1956.93 753.05,1992.77 852.79,1992.77 877.79,1967.77 877.79,1896.87 937.73,1836.93 1387.2,1836.93 1432.2,1791.93 1432.2,1641.93 1412.2,1621.93 1328.11,1621.93 1307.2,1642.83 1307.2,1734.43 1290.02,1751.62 847.52,1751.62 717.2,1881.93
  region net AGND: 747.2,351.93 765.87,370.59 824.02,370.59 847.2,347.4 847.2,256.93 872.2,231.93 912.2,231.93 932.2,211.93 932.2,64.72 832.2,64.72 832.2,196.17 801.44,226.93 774.33,226.93 748.74,252.52

## Silkscreen, mask and mechanical layers (free items; w line width, h text height)
Top Overlay:
  text "Vin" at 1492.01,1681.83 h60 r90
  text "GND" at 1131.54,1641.93 h60 r90
  text "GND" at 3051.17,1252.58 h50
  text "PB0" at 1237.04,1224.01 h50
  text "5V" at 1362.82,1224.01 h50
  text "CLK" at 3063.51,1206.58 h50
  text "DIO" at 3070.99,1160.57 h50
  text "PB1" at 1237.04,1121.68 h50
  text "TX1" at 1350.24,1121.68 h50
  text "5V" at 3095.76,1115.12 h50
  text "PB2" at 1237.04,1019.91 h50
  text "RX1" at 1350.24,1019.91 h50
  text "PB13" at 1237.04,919.13 h50
  text "GND" at 1362.82,919.13 h50
  text "5V" at 370.21,408.42 h60 r90
  text "3V3" at 2699.52,254.59 h50
  text "3V3" at 2816.26,254.59 h50
  text "GND" at 370.87,225.32 h60 r90
  text "GND" at 2679.79,220.31 h50
  text "GND" at 2816.26,220.31 h50
  text "TX0" at 2338.74,207.82 h40
  text "RX0" at 2438.74,207.82 h40
  text "5V" at 1712.2,207.37 h40
  text "TX" at 1817.2,206.93 h40
  text "RX" at 1917.2,206.93 h40
  text "GND" at 2012.2,207.37 h40
  text "5V" at 2242.2,207.37 h40
  text "GND" at 2542.2,207.37 h40
  text "5V" at 2724.38,186.41 h50
  text "5V" at 2816.26,186.41 h50
  text "232" at 1636.54,177.48 h50
Bottom Overlay:
  text "M-" at 1594.91,1720.07 h50 r180
  text "5V" at 1695.03,1719.51 h50 r180
  text "B" at 1807.96,1720.07 h50 r180
  text "A" at 1901.38,1720.07 h50 r180
  text "GND" at 1978.45,1719.51 h50 r180
  text "M+" at 2094.91,1720.07 h50 r180
  text "M-" at 2316.78,1720.07 h50 r180
  text "5V" at 2416.9,1719.51 h50 r180
  text "B" at 2529.83,1720.07 h50 r180
  text "A" at 2623.24,1720.07 h50 r180
  text "GND" at 2700.32,1719.51 h50 r180
  text "M+" at 2816.78,1720.07 h50 r180
  text "VIN :   5-24V/4A" at 762.15,1432.6 h60
  text "SMK-robot-V1.1 驱动板" at 2645,1341.33 h120
  text "VOUT :   5V/4A" at 826.08,1297.6 h60
  text "胡久松" at 2645,1200.89 h120
  text "3V3/0.5A" at 597.2,1192.6 h60
  text "2021年8月15日" at 2645,1060.89 h120
  text "GND" at 422.13,217.46 h50
  text "5V" at 705.55,217.46 h50
  text "M+" at 305.68,216.9 h50
  text "A" at 499.21,216.9 h50
  text "B" at 592.63,216.9 h50
  text "M-" at 805.68,216.9 h50
  text "M+" at 1037.6,213.79 h50
  text "GND" at 1154.06,214.34 h50
  text "A" at 1231.13,213.79 h50
  text "B" at 1324.55,213.79 h50
  text "5V" at 1437.48,214.34 h50
  text "M-" at 1537.6,213.79 h50
Top Solder:
  lines w15: 685.41,249.77 709.41,249.77 782.2,176.98 782.2,166.93 ; 1012.2,166.93 986.28,192.85 986.28,300.94 1035.12,349.77 1200.41,349.77 ; 1200.41,249.77 1203.54,246.64 1203.54,226.68 1212.33,217.89 1461.24,217.89 1512.2,166.93 ; 1739.31,1546.93 1740.61,1545.63 1782.95,1545.63 1797.21,1531.36 1979.75,1531.36 1988.54,1540.15 1988.54,1664.09 2031.02,1706.56 2103.42,1706.56 2112.2,1715.35 2112.2,1766.93 ; 1739.31,1646.93 1715.31,1646.93 1711.29,1650.95 1711.29,1667.85 1612.2,1766.93 ; 2334.07,1766.93 2334.07,1764.69 2380.52,1718.24 2380.52,1543.36 2394.04,1529.84 2559.36,1529.84 2612.51,1583 2612.51,1609.36 ; 2712.51,1609.36 2712.51,1672.55 2759.8,1719.84 2786.98,1719.84 2834.07,1766.93 ; 1612.2,1766.93 1612.2,1766.93
  lines w20: 282.2,166.93 465.05,349.77 685.41,349.77
Mechanical 1:
  lines w15: -137.8,-23.07 -137.8,1951.93 ; -137.8,-19.69 ccw(c-19.69,-19.69) -19.69,-137.8 ; -137.8,1948.82 cw(c-19.69,1948.82) -19.69,2066.93 ; -22.8,-137.8 3092.2,-137.8 ; -17.8,2066.93 3087.2,2066.93 ; 3090.55,-137.8 ccw(c3090.55,-19.69) 3208.66,-19.69 ; 3090.55,2066.93 cw(c3090.55,1948.82) 3208.66,1948.82 ; 3208.66,-18.07 3208.66,1951.93